# Altium PCB Room02.PcbDoc (part 1 of 2) (continued)
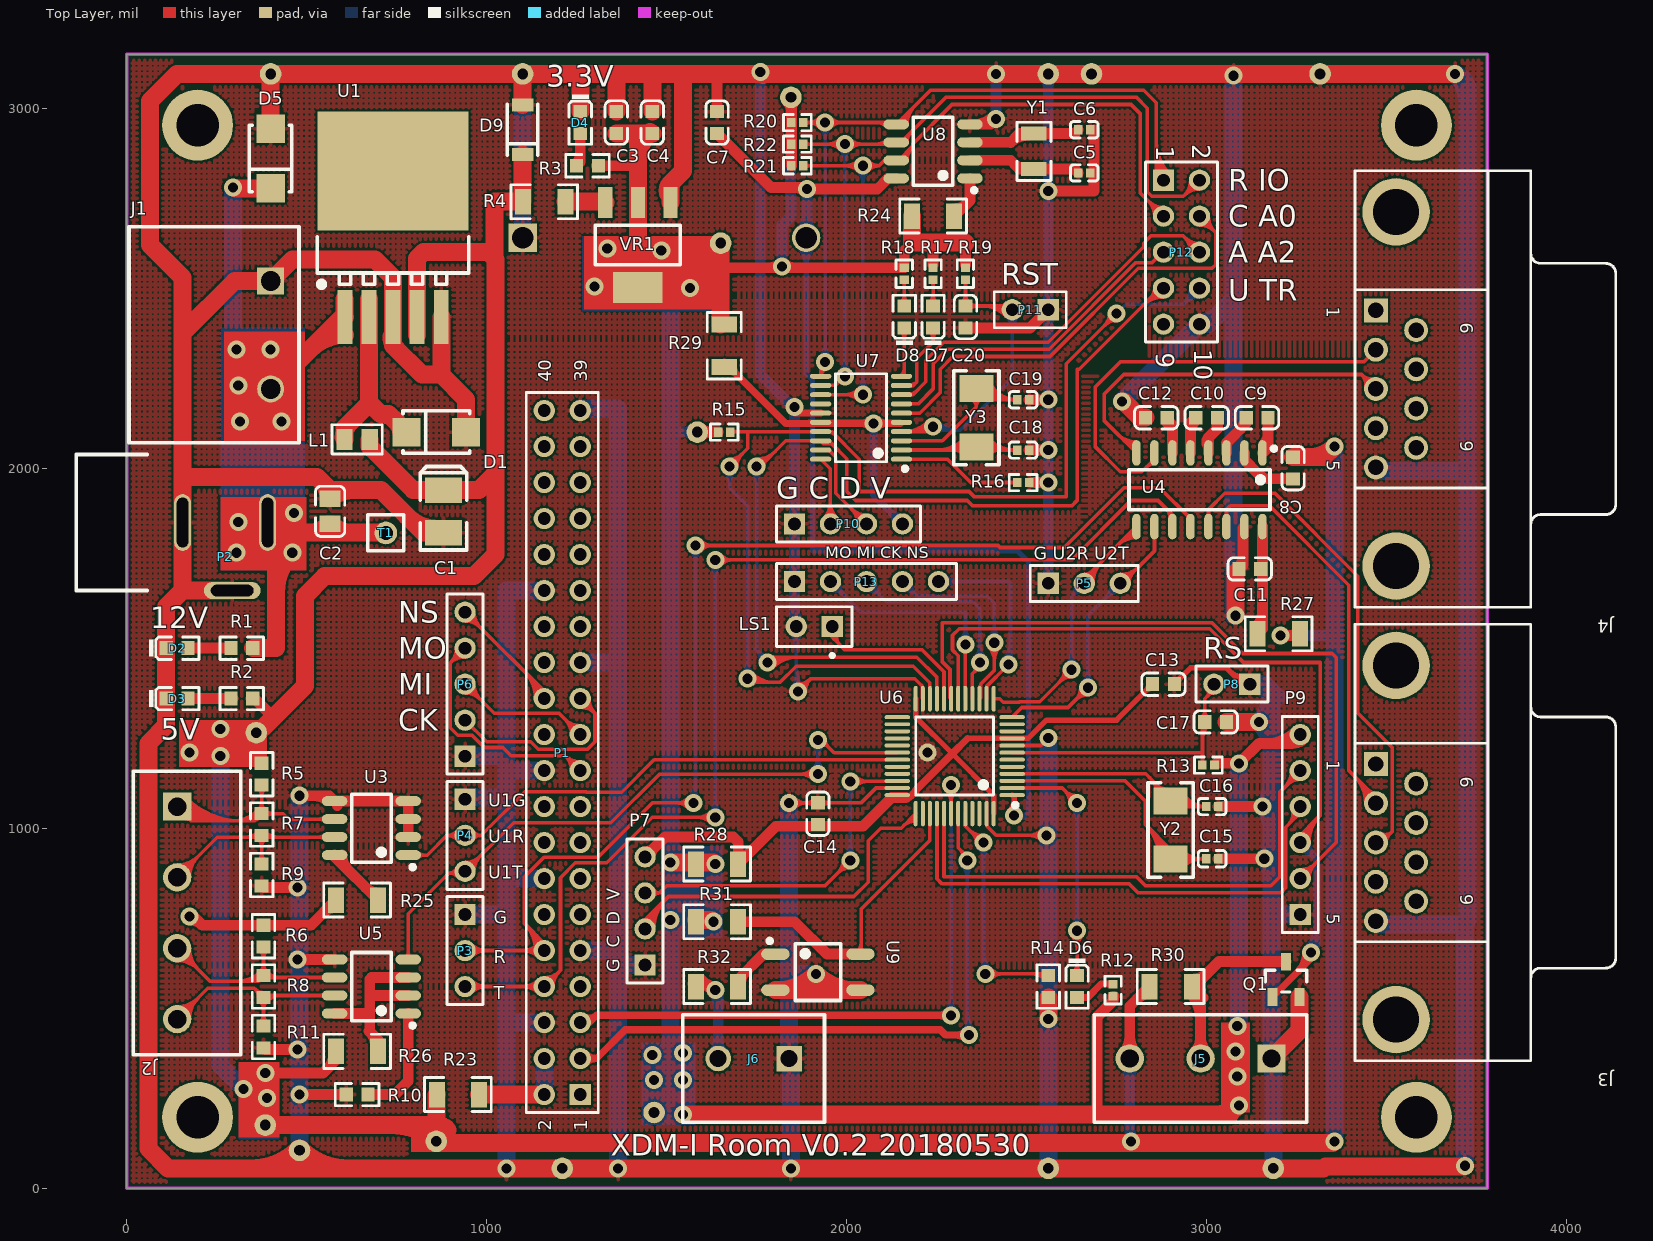
[diagram p0: Top Layer view]
## Part data
C1: library part "3528 100uF (107) 10% 6.3V", "钽电容"
C2: library part "0805 22uF (226) 20% 25V", "贴片电容"
C3 C7 C14 C17 C20: library part "0603 10uF (106) 10% 10V", "贴片电容"
C4 C13: library part "0603 100nF (104) 10% 50V", "贴片电容"
C5 C6: library part "0402 12pF (120) 5% 50V", "贴片电容"
C8 C9 C10 C11 C12: library part "0603 1uF (105) 10% 50V", "贴片电容"
C15 C16 C18 C19: library part "0402 20pF (200) 5% 50V", "贴片电容"
D1 D5: library part "SMA(DO-214AC) SS54", "二极管"
D2: library part "0603 绿灯", "发光二极管"
D3 D6 D7: library part "0603 蓝灯", "发光二极管"
D4: library part "0603 白灯", "发光二极管"
D8: library part "0603 红灯", "发光二极管"
D9: library part "LL-34 ZMM5V6", "稳压二极管"
J3 J4: "Receptacle Assembly, 9 Position, Right Angle"
L1: library part "0805 100uH 10%", "贴片电感"
LS1: "Electrical Bell"
P1: "Header, 20-Pin, Dual row"
P2 P3 P4 P5: "Header, 3-Pin"
P6 P13: "Header, 5-Pin"
P7 P10: "Header, 4-Pin"
P8 P11: "Header, 2-Pin"
P9: "Header, 6-Pin"
P12: "Header, 5-Pin, Dual row"
Q1: "MOS(场效应管)"
R1: library part "0603 20KΩ (2002) 1%", "贴片电阻"
R2 R3 R5 R6 R9 R10 R11: library part "0603 10KΩ (1002) 1%", "贴片电阻"
R4 R23 R24 R25 R26 R27 R28 R29: library part "1206 0Ω (0R0) 1%", "贴片电阻"
R7 R8: library part "0603 120Ω (1200) 1%", "贴片电阻"
R12 R13 R17 R18 R19 R20 R21 R22: library part "0402 10KΩ (1002) 1%", "贴片电阻"
R14: library part "0603 100KΩ (1003) 1%", "贴片电阻"
R15 R16: library part "0402 100KΩ (1003) 1%", "贴片电阻"
R30 R31: library part "1206 10KΩ (1002) 1%", "贴片电阻"
R32: library part "1206 1KΩ (1001) 1%", "贴片电阻"
U1: library part LM2576SX-5.0_[C34465], "DC-DCоƬ"
U2: library part BAT2032
U3 U5: library part SN75176BDR_[C7063], "RS-485/RS-422"
U4: library part MAX232ESE_[C26860], "RS232"
U6 U7: "ARM"
U8: library part DS1302Z+T&R_[C8959], "实时时钟"
U9: library part EL357N(B)(TA)-G_[C6649], "贴片光耦"
VR1: library part "SOT-223 AMS1117-3.3", "低压差线性稳压(LDO)"
Y1: library part "SMD-3215_2P 32.768KHz 20ppm 12.5pF", "贴片晶振"
Y2 Y3: library part "SMD-5032_2P 8MHz 20ppm 20pF", "贴片晶振"

## Free pads (board coordinates)
  round 196.85 hole 118.11: 0(196.85,196.85) 1(196.85,2952.76) 2(3582.68,2952.76) 3(3582.68,196.85)
  round 60 hole 30: 0(1465,210) 0(1585,2100) 0(1650,2625) 0(2560,3095) 1(400,3095) 1(1210,55) 1(1845,3030) 1(2560,55) 2(1100,3095) 2(3185,55) 3(860,130) 3(2680,3095) 4(360,1265) 4(3315,3095) 6(385,175) 8(480,105)

## Via types
v1: diameter 50, hole 28, Top Layer to Bottom Layer, 110 vias

## Nets (pads, with @x,y where several pads share a name; then routed paths per layer and width w, separated by ;. In a path a pad name is that pad's centre, name@x,y a point inside that pad or via, vN(x,y) a via of type N, cw(c..) or ccw(c..) an arc to the next point about the centre after c; other vN are vias at no path point)
ADC2_IN0: U6.10
ADC2_IN1: U6.11
BEEP: LS1.1 U6.20 | length 563.7
  Top Layer w10: LS1.1@1960,1560 1960,1530 1995,1495 2210,1495 2270.47,1434.53 U6.20@2270.47,1359.45 ; LS1.1@1963.44,1557.06 ccw(c1981.25,1541.86) 1964.7,1525.3 ; LS1.1@1971.05,1550.57 ccw(c1989.51,1534.81) 1972.35,1517.65 ; LS1.1@1978.66,1544.08 ccw(c1997.76,1527.77) 1980,1510
BOOT0: R14.1 U6.44 | length 1118.7
  Top Layer w10: U6.44@2329.53,1040.55 2329.53,1005.47 2360,975 2370,960 v1(2380,960) v1@2385,965 ; U6.44@2330.04,1010.63 ccw(c2343.73,1010.63) 2334.05,1000.95 ; 2337.32,997.68 ccw(c2380,1040.36) v1@2380,980 ; 2349.39,985.61 cw(c2323.79,960) v1@2360,960 ; 2354.39,980.61 ccw(c2380,1006.21) v1@2380,970 ; v1@2370,595 R14.1@2555.31,595 ; v1@2399.14,580.86 cw(c2433.28,546.72) 2433.28,595 cw(c2433.28,643.28) v1@2399.14,609.14 ; 2515.58,595 cw(c2515.58,546.87) R14.1@2549.61,580.9 ; 2538.2,595 ccw(c2538.2,611.13) R14.1@2549.61,599.72 ; 2539.72,595 cw(c2539.72,571.02) R14.1@2556.68,587.98
  Bottom Layer w10: v1@2365.86,945.86 cw(c2331.72,911.72) 2380,911.72 cw(c2428.28,911.72) v1@2394.14,945.86 ; v1@2370,595 v1@2371,596 ; v1@2370.86,609.14 ccw(c2348.79,631.21) 2380,631.21 ccw(c2421.21,631.21) v1@2392.07,602.07 ; v1@2371,959 2370,960 v1(2380,960) v1@2380,597 ; 2380,655.36 ccw(c2445.36,655.36) v1@2399.14,609.14
  other v1: 2385,595
C1+: C9.2 U4.1 | length 138.2
  Top Layer w30: U4.1@3155,2042.36 3170,2057.36 3170,2139.69 C9.2@3170.31,2140 ; U4.1@3157.25,2063.73 ccw(c3126.49,2094.5) 3170,2094.5
C1-: C9.1 U4.3 | length 153.7
  Top Layer w30: U4.3@3055,2042.36 3055,2070 3109.68,2124.68 C9.1@3109.68,2140 ; 3093.9,2108.9 ccw(c3063.79,2139.02) C9.1@3106.38,2139.02
C2+: C10.1 U4.4 | length 202
  Top Layer w30: U4.4@3001.81,2065.98 cw(c3040.02,2065.98) 3013,2093 ; U4.4@3002.23,2064.41 cw(c3017.11,2072.89) 3005,2085 ; U4.4@3005,2042.36 3005,2085 ; 3019.35,2099.35 ccw(c2994.15,2124.55) C10.1@3027.24,2137.79 ; C10.1@3030.31,2140 3030.31,2110.31 3005,2085
C2-: C10.2 U4.5 | length 149.4
  Top Layer w30: U4.5@2955,2042.36 2955,2125.32 C10.2@2969.68,2140 ; 2955,2095.58 cw(c3013.12,2095.58) C10.2@2972.02,2136.68
CON1_N: J2.2 R7.1 R9.2 U3.7 | length 1364.1
  Top Layer w10: J2.2@140,863.15 251.85,975 R7.1@375,975 ; J2.2@140,887.52 ccw(c140,946.35) 181.6,904.75 ccw(c223.2,863.15) J2.2@164.37,863.15 ; J2.2@140,897.52 ccw(c140,980.5) 198.67,921.82 ccw(c257.35,863.15) J2.2@174.37,863.15 ; 330.58,975 ccw(c330.58,1023.13) R7.1@364.61,989.1 ; 353.2,975 cw(c353.2,958.87) R7.1@364.61,970.28 ; 354.72,975 ccw(c354.72,998.98) R7.1@371.68,982.02 ; R9.2@365.59,909.73 ccw(c342.87,932.44) 375,932.44 ccw(c407.13,932.44) R9.2@384.41,909.73 ; R7.1@365.59,970.28 cw(c342.87,947.56) 375,947.56 cw(c407.13,947.56) R7.1@384.41,970.28 ; R9.2@375,900.32 R7.1@375,975 ; R7.1@375,979.69 R7.1@375,975 ; R7.1@375,975 U3.7@577.64,975 R7.1@375,975 ; 534.79,975 cw(c534.79,953.8) 549.78,968.79 ccw(c534.79,953.8) 534.79,975 ; 534.79,975 ccw(c534.79,996.2) 549.78,981.21 cw(c534.79,996.2) 534.79,975 ; R7.1@378.32,982.02 ccw(c395.28,998.98) 395.28,975 cw(c395.28,998.98) R7.1@378.32,982.02 ; R7.1@385.39,970.28 cw(c396.8,958.87) 396.8,975 ccw(c396.8,958.87) R7.1@385.39,970.28 ; R7.1@385.39,989.1 ccw(c419.42,1023.13) 419.42,975 cw(c419.42,1023.13) R7.1@385.39,989.1
CON1_P: J2.1 R5.1 R7.2 U3.6 | length 1704.3
  Top Layer w10: J2.1@128.95,1048.95 ccw(c198.83,1118.83) 198.83,1020 ; J2.1@136.02,1056.02 ccw(c222.98,1142.98) 222.98,1020 ; J2.1@140,1060 180,1020 354.68,1020 R7.2@375,1040.32 ; J2.1@143.09,1063.09 ccw(c247.12,1167.12) 247.12,1020 ; J2.1@150.16,1070.16 ccw(c271.26,1191.26) 271.26,1020 ; J2.1@157.23,1077.23 ccw(c295.4,1215.4) 295.4,1020 ; J2.1@164.3,1084.3 ccw(c319.55,1239.55) 319.55,1020 ; 292.84,1020 ccw(c292.84,1121.49) R7.2@364.61,1049.73 ; 316.98,1020 ccw(c316.98,1097.35) R7.2@371.68,1042.65 ; 341.13,1020 ccw(c341.13,1073.21) R7.2@378.75,1035.58 ; R7.2@360.88,1038.18 cw(c340.77,1034.9) 355.18,1020.49 cw(c371.18,1004.49) R7.2@372.97,1027.05 ; R7.2@365.59,1049.73 ccw(c342.87,1072.44) 375,1072.44 ccw(c407.13,1072.44) R7.2@384.41,1049.73 ; R5.1@365.59,1110.28 cw(c342.87,1087.56) 375,1087.56 cw(c407.13,1087.56) R5.1@384.41,1110.28 ; R5.1@375,1119.69 R7.2@375,1040.32 ; R7.2@385.39,1030.91 cw(c408.11,1008.19) 408.11,1040.32 cw(c408.11,1072.44) R7.2@385.39,1049.73 ; U3.6@549.78,1018.79 ccw(c534.79,1003.8) 534.79,1025 ccw(c534.79,1046.2) U3.6@549.78,1031.21 ; U3.6@577.64,1025 450,1025 434.68,1040.32 R7.2@375,1040.32
CON2_N: J2.4 R8.1 R11.2 U5.7 | length 1043.6
  Top Layer w10: J2.4@140,469.45 225.55,555 295,555 354.69,555 R8.1@380,529.69 ; J2.4@140,493.82 ccw(c140,552.65) 181.6,511.05 ccw(c223.2,469.45) J2.4@164.37,469.45 ; J2.4@140,503.82 ccw(c140,586.79) 198.67,528.12 ccw(c257.35,469.45) J2.4@174.37,469.45 ; 355.6,554.08 cw(c331.21,529.69) R8.1@365.71,529.69 ; 357.98,551.71 ccw(c379.02,572.74) R8.1@379.02,542.99 ; R11.2@370.59,459.73 ccw(c347.87,482.44) 380,482.44 ccw(c412.13,482.44) R11.2@389.41,459.73 ; R8.1@370.59,520.28 cw(c347.87,497.56) 380,497.56 cw(c412.13,497.56) R8.1@389.41,520.28 ; R11.2@380,450.32 R8.1@380,529.69 ; R8.1@383.32,527.35 cw(c401.8,508.87) 401.8,535 ; R8.1@390.39,520.28 cw(c425.94,484.73) 425.94,535 ; R8.1@390.39,539.1 ccw(c400.28,548.98) 400.28,535 ; U5.7@549.78,528.79 ccw(c534.79,513.8) 534.79,535 ccw(c534.79,556.2) U5.7@549.78,541.21 ; U5.7@577.64,535 385.31,535 R8.1@380,529.69
CON2_P: J2.3 R6.1 R8.2 U5.6 | length 1124.2
  Top Layer w10: J2.3@140,631.93 cw(c140,548.95) 198.67,607.63 cw(c257.35,666.3) J2.3@174.37,666.3 ; J2.3@140,641.93 cw(c140,583.1) 181.6,624.7 cw(c223.2,666.3) J2.3@164.37,666.3 ; J2.3@140,666.3 231.3,575 295,575 R8.2@364.68,575 ; 309.91,575 ccw(c309.91,659.42) R8.2@369.61,599.73 ; 334.06,575 ccw(c334.06,635.28) R8.2@376.68,592.65 ; 358.2,575 ccw(c358.2,611.13) R8.2@383.75,585.58 ; R8.2@370.59,599.73 ccw(c347.87,622.44) 380,622.44 ccw(c412.13,622.44) R8.2@389.41,599.73 ; R6.1@370.59,660.28 cw(c347.87,637.56) 380,637.56 cw(c412.13,637.56) R6.1@389.41,660.28 ; R8.2@380,590.32 R6.1@380,669.69 ; R8.2@383.32,592.65 ccw(c401.8,611.13) 401.8,585 ; R8.2@385.32,585 U5.6@577.64,585 U5.6@597.64,585 ; R8.2@390.39,580.91 cw(c400.28,571.02) 400.28,585 ; R8.2@390.39,599.73 ccw(c425.94,635.28) 425.94,585 ; U5.6@549.78,578.79 ccw(c534.79,563.8) 534.79,585 ccw(c534.79,606.2) U5.6@549.78,591.21
DS1302_IO: P12.2 R22.2 U7.12 U8.6 | length 2894.6
  Top Layer w10: U7.12@1927.8,2229.57 1928.23,2230 1970,2230 v1(1995,2255) ; v1@2009.14,2885.86 cw(c2043.28,2851.72) 2043.28,2900 cw(c2043.28,2948.28) v1@2009.14,2914.14 ; 2082.72,2900 ccw(c2082.72,2938.27) U8.6@2109.78,2911.21 ; U8.6@2132.64,2900 v1(1995,2900) ; U8.6@2137.64,2905 2151,2905 2276,3030 2805,3030 2835,3000 2835,2767.63 2847.63,2755 2935,2755 P12.2@2980,2800 ; U8.6@2168.07,2905 cw(c2209.28,2905) 2180.14,2934.14 ; P12.2@2955.47,2800 cw(c2896.26,2800) 2938.13,2758.13 cw(c2980,2716.26) P12.2@2980,2775.47 ; P12.2@2965.47,2800 cw(c2930.4,2800) 2955.2,2775.2 cw(c2980,2750.4) P12.2@2980,2785.47 ; 1896.44,2900 cw(c1896.44,2916.44) 1884.82,2904.82 ccw(c1896.44,2916.44) 1896.44,2900 ; 1896.44,2900 ccw(c1896.44,2883.56) 1884.82,2895.18 cw(c1896.44,2883.56) 1896.44,2900 ; 1946.72,2900 cw(c1946.72,2851.72) 1980.86,2885.86 ccw(c1946.72,2851.72) 1946.72,2900 ; 1946.72,2900 ccw(c1946.72,2948.28) 1980.86,2914.14 cw(c1946.72,2948.28) 1946.72,2900 ; v1(1995,2900) R22.2@1880,2900 v1(1995,2900)
  Bottom Layer w10: v1@1980.86,2269.14 ccw(c1946.72,2303.28) 1995,2303.28 ccw(c2043.28,2303.28) v1@2009.14,2269.14 ; v1@1980.86,2885.86 cw(c1946.72,2851.72) 1995,2851.72 cw(c2043.28,2851.72) v1@2009.14,2885.86 ; v1(1995,2255) v1(1995,2900)
DS1302_RSTN: P12.1 R20.2 U7.11 U8.5 | length 2943.1
  Top Layer w10: U7.11@1927.8,2253.33 cw(c1950.85,2253.33) v1@1945.04,2275.65 ; U7.11@1927.8,2255.16 1927.8,2282.8 v1(1940,2295) ; 1927.8,2266.27 cw(c1947.48,2266.27) v1@1942.52,2285.32 ; v1@1954.14,2945.86 cw(c1988.28,2911.72) 1988.28,2960 cw(c1988.28,3008.28) v1@1954.14,2974.14 ; 2082.72,2960 cw(c2082.72,2921.73) U8.5@2109.78,2948.79 ; U8.5@2132.64,2960 v1(1940,2960) ; U8.5@2137.64,2955 2232.64,3050 2825,3050 2860,3015 2860,2820 P12.1@2880,2800 ; U8.5@2138.07,2955 cw(c2139.12,2955) U8.5@2138.38,2955.74 ; U8.5@2148.07,2955 cw(c2173.26,2955) 2155.45,2972.81 ; U8.5@2158.07,2955 cw(c2207.4,2955) 2172.52,2989.88 ; U8.5@2168.07,2955 cw(c2241.54,2955) 2189.59,3006.95 ; 2860,2835.07 ccw(c2915.07,2835.07) P12.1@2876.13,2796.13 ; 2860,2859.21 ccw(c2939.21,2859.21) P12.1@2883.2,2803.2 ; 2860,2883.36 ccw(c2963.36,2883.36) P12.1@2890.27,2810.27 ; 2860,2907.5 ccw(c2987.5,2907.5) P12.1@2897.34,2817.34 ; R20.2@1891.72,2960 cw(c1891.72,2911.72) 1925.86,2945.86 ccw(c1891.72,2911.72) R20.2@1891.72,2960 ; R20.2@1891.72,2960 ccw(c1891.72,3008.28) 1925.86,2974.14 cw(c1891.72,3008.28) R20.2@1891.72,2960 ; 1896.44,2960 cw(c1896.44,2976.44) 1884.82,2964.82 ccw(c1896.44,2976.44) 1896.44,2960 ; 1896.44,2960 ccw(c1896.44,2943.56) 1884.82,2955.18 cw(c1896.44,2943.56) 1896.44,2960 ; v1(1940,2960) R20.2@1880,2960 v1(1940,2960)
  Bottom Layer w10: v1@1925.86,2309.14 ccw(c1891.72,2343.28) 1940,2343.28 ccw(c1988.28,2343.28) v1@1954.14,2309.14 ; v1@1925.86,2945.86 cw(c1891.72,2911.72) 1940,2911.72 cw(c1988.28,2911.72) v1@1954.14,2945.86 ; v1(1940,2295) v1(1940,2960)
DS1302_SCK: P12.3 R21.2 U7.13 U8.7 | length 2723.1
  Top Layer w10: R21.2@1880,2840 v1(2045,2840) 2090,2840 ; R21.2@1884.82,2835.18 cw(c1896.44,2823.56) 1896.44,2840 cw(c1896.44,2856.44) R21.2@1884.82,2844.82 ; U7.13@1927.8,2203.98 v1(2045,2203.98) ; v1@2030.86,2189.83 ccw(c1996.72,2155.69) 1996.72,2203.98 ccw(c1996.72,2252.26) v1@2030.86,2218.12 ; v1@2030.86,2825.86 ccw(c1996.72,2791.72) 1996.72,2840 ccw(c1996.72,2888.28) v1@2030.86,2854.14 ; v1@2059.85,2826.6 cw(c2090,2799.38) 2090,2840 ; v1@2059.85,2853.4 ccw(c2090,2880.62) 2090,2840 ; 2100.21,2850.21 cw(c2114.8,2835.62) U8.7@2116.06,2856.22 ; U8.7@2158.07,2854.98 cw(c2189.95,2855.53) 2167.4,2878.07 ; U8.7@2168.07,2855.15 cw(c2222.71,2856.09) 2184.07,2894.73 ; P12.3@2855.47,2700 ccw(c2796.26,2700) 2838.13,2741.87 ccw(c2880,2783.74) P12.3@2880,2724.53 ; P12.3@2865.47,2700 ccw(c2830.4,2700) 2855.2,2724.8 ccw(c2880,2749.6) P12.3@2880,2714.53 ; P12.3@2880,2700 2815,2765 2815,2985 2790,3010 2292.64,3010 2184.07,2901.43 2184.07,2894.74 ; 2090,2840 2105,2855 U8.7@2137.64,2855 2144.33,2855 2184.07,2894.74
  Bottom Layer w10: v1@2030.86,2218.12 ccw(c1996.72,2252.26) 2045,2252.26 ccw(c2093.28,2252.26) v1@2059.14,2218.12 ; v1@2030.86,2825.86 cw(c1996.72,2791.72) 2045,2791.72 cw(c2093.28,2791.72) v1@2059.14,2825.86 ; v1@2038.98,2203.98 v1(2045,2203.98) v1(2045,2840)
DS1302_X1: C5.2 U8.2 Y1.1 | length 353
  Top Layer w30: U8.2@2342.36,2855 2455.79,2855 2480,2830.79 Y1.1@2520,2830.79 2632.48,2830.79 C5.2@2643.27,2820 ; 2467.91,2842.87 ccw(c2491.31,2866.26) Y1.1@2502.65,2835.19
DS1302_X2: C6.2 U8.3 Y1.2 | length 407.9
  Top Layer w30: U8.3@2342.36,2905 2455.79,2905 2480,2929.21 Y1.2@2520,2929.21 2632.48,2929.21 C6.2@2643.27,2940 ; 2454.85,2904.07 cw(c2504.25,2854.67) Y1.2@2504.25,2924.53 ; 2467.87,2917.09 cw(c2491.33,2893.63) Y1.2@2502.65,2924.81
GND: C1.2 C2.1 C3.1 C4.1 C5.1 C6.1 C7.1 C11.1 C12.1 C13.1 C14.2 C15.1 C16.1 C17.1 C18.1 C19.1 C20.1 D1.1 D2.K D3.K D4.K D5.1 D9.1 J1.1 J3.5 J4.5 J5.1 J6.1 LS1.2 P1.6 P1.9 P1.14 P1.20 P1.25 P1.30 P1.39 P2.2 P2.3 P3.1 P4.1 P5.1 P6.1 P7.1 P8.1 P9.1 P10.1 P11.1 P12.10 P13.1 pad.0@2560,3095 pad.1@400,3095 pad.1@1210,55 pad.1@2560,55 pad.2@1100,3095 pad.2@3185,55 pad.3@2680,3095 pad.4@3315,3095 pad.8 Q1.2 R9.1 R10.1 R11.1 R14.2 R16.1 U1.3 U1.5 U2.1 U3.2 U3.3 U3.4 U3.5 U4.15 U5.5 U6.8 U6.23 U6.35 U6.47 U7.15 U8.4 U9.2 U9.3 VR1.1 | length 40105.7
  Top Layer w10: v1(1840,1070) 2040,1070 2081.42,1111.42 U6.35@2140.55,1111.42 ; v1@1854.14,1055.86 cw(c1888.28,1021.72) 1888.28,1070 cw(c1888.28,1118.28) v1@1854.14,1084.14 ; v1(1865,1380) 1900,1415 2189.45,1415 2210.23,1394.22 2210.23,1360.63 U6.23@2211.42,1359.45 ; v1@1865,1400 ccw(c1865,1448.28) 1899.14,1414.14 ccw(c1933.28,1380) v1@1885,1380 ; 1886.13,1070 ccw(c1886.13,1103.21) C14.2@1909.61,1079.73 ; 1887.65,1070 cw(c1887.65,1038.95) C14.2@1909.61,1060.91 ; C14.2@1930.39,1060.91 cw(c1952.35,1038.95) 1952.35,1070 ; C14.2@1930.39,1079.73 ccw(c1953.87,1103.21) 1953.87,1070 ; 2207.95,1396.5 cw(c2200.82,1389.37) U6.23@2210.91,1389.37 ; U6.47@2388.58,1040.55 2388.58,1006.42 2415,980 v1(2555,980) ; U6.47@2389.09,1010.63 ccw(c2400.5,1010.63) 2392.43,1002.57 ; U6.8@2459.45,1229.53 2539.53,1229.53 v1(2560,1250) ; v1@2540.86,965.86 ccw(c2506.72,931.72) 2506.72,980 ccw(c2506.72,1028.28) v1@2540.86,994.14
  Top Layer w15: C13.1@2910.31,1400 2955.31,1445 3055,1445 3100,1400 P8.1@3120,1400 ; C13.1@2910.31,1411.79 ccw(c2910.31,1440.26) 2930.44,1420.13 ; C13.1@2921.12,1400.98 cw(c2944.84,1400.98) C13.1@2928.07,1417.75 ; 3065,1435 ccw(c3101.8,1471.79) P8.1@3114.59,1421.35 ; 3083.66,1416.34 ccw(c3109.35,1442.02) P8.1@3118.27,1406.81
  Top Layer w20: v1@1857.2,2152.8 U7.15@1927.8,2152.8
  Top Layer w30: R9.1@378.32,842.02 ccw(c395.28,858.98) 395.28,835 ; R9.1@379.69,835 v1(475,835) v1@480,835 ; R11.1@383.32,392.02 ccw(c400.28,408.98) 400.28,385 ; R11.1@384.69,385 v1(475,385) v1@480,385 ; v1(480,260) R10.1@604.69,260 ; v1@480,635 v1(475,635) U5.5@577.64,635 ; v1(480,1090) 562.64,1090 U3.5@577.64,1075 U3.4@782.36,1075 U3.3@782.36,1025 U3.2@782.36,975 ; 522.72,1090 cw(c522.72,1041.73) U3.5@556.85,1075.86 ; U3.5@583.75,1068.89 cw(c580.04,1065.19) U3.5@584.89,1063.21 ; C7.1@1640,2990.32 1640,3095 ; C20.1@2330,2389.69 2330.21,2389.47 2509.47,2389.47 P11.1@2560,2440 ; U8.4@2342.36,2955 2400,2955 v1(2415,2970) ; U8.4@2354.64,2955 ccw(c2354.64,3030.36) v1@2407.93,2977.07 ; C18.1@2506.73,2050 v1(2560,2050) ; C19.1@2506.73,2190 v1(2560,2190) ; R16.1@2515,1960 v1(2560,1960) ; P11.1@2545.47,2440 cw(c2510.4,2440) 2535.2,2415.2 cw(c2560,2390.4) P11.1@2560,2425.47 ; v1(2560,2770) 2686.73,2770 C6.1@2686.73,2940 ; C15.1@3031.73,915 v1(3160,915) ; C16.1@3031.73,1060 v1(3155,1060) ; C11.1@3087.35,1723.32 ccw(c3054.37,1756.3) 3101.01,1756.3 ; C11.1@3101.01,1731.32 U4.15@3101.01,1833.65
  Top Layer w50: 155.55,1660 P2.2@293.07,1660 ; 347.22,55 ccw(c347.22,237.78) pad.8@476.46,108.54 ; D5.1@400,2942.68 pad.1@400,3095 ; 448.18,73.18 ccw(c492.07,117.07) 492.07,55 ; 467.93,55 ccw(c467.93,117.07) 511.82,73.18 ; pad.8@480,105 480,55 ; pad.8@483.54,108.54 ccw(c612.78,237.78) 612.78,55 ; 541.3,1962.76 cw(c493.58,1915.04) C2.1@561.06,1915.04 ; C2.1@569.57,1916.57 cw(c623.85,1862.29) 623.85,1939.06 ; U1.3@735.67,2365.87 ccw(c787.66,2365.87) 750.9,2329.1 ; 777.82,1867.18 ccw(c864.25,1953.61) C1.2@864.25,1831.38 ; C1.2@865,1820.95 824.06,1820.95 705.95,1939.06 565,1939.06 529.06,1975 155,1975 ; U1.5@873.86,2420 873.86,2260 ; D1.1@942.68,2100 942.68,2191.18 873.86,2260 ; D9.1@1100,3008.9 pad.2@1100,3095 ; D4.K@1260,2990.31 1260,3090 ; C3.1@1360,2990.32 1360,3095 ; C4.1@1460,2990.32 1460,3095 ; VR1.1@1505.24,2761.73 cw(c1561.98,2761.73) 1521.86,2801.86 ; VR1.1@1505.86,2759.24 cw(c1529.38,2771.72) 1510.55,2790.55 ; VR1.1@1510.55,2738.11 1510.55,2790.55 ; v1@1767.5,3092.5 v1@1765,3095 ; U9.2@1801.89,550 1905,550 ; U9.2@1806.36,550 ccw(c1806.36,703.64) v1(1915,595) ; U9.3@2023.64,550 cw(c2023.64,703.64) v1(1915,595) ; U9.3@2038.11,550 1905,550 ; v1(2560,470) R14.2@2560,529.68 ; v1(2765,2185) 2770,2185 2815,2140 C12.1@2829.69,2140 ; C17.1@3055.31,1295 v1(3145,1295) ; v1(3080,1590) C11.1@3080,1710.31 ; J5.1@3180,360 3257.4,437.4 Q1.2@3257.4,530.79 ; 3325,55 pad.2@3185,55 pad.1@2560,55 v1(1845,55) v1(1365,55) pad.1@1210,55 v1(1055,55) 480,55 ; 3330,60 3715,60 v1(3717.15,62.15) ; v1(3690,3095) pad.4@3315,3095 pad.3@2680,3095 pad.0@2560,3095 v1(2415,3095) v1@1765,3095 ; 155,1975 155,1849.25 P2.3@155.28,1848.98 155.28,1660.28 109.69,1614.69 D2.K@109.69,1500 D3.K@109.69,1360 109.69,1285.31 60,1235.63 60,110 115,55 480,55 ; 155,1975 155,2375 ; 155,2375 155,2530 65,2620 65,3020 140,3095 pad.1@400,3095 ; 155,2375 300,2520 J1.1@400,2520 460,2580 690,2580 740,2530 U1.3@740,2420 740,2340 820,2260 873.86,2260 ; pad.1@400,3095 pad.2@1100,3095 ; pad.2@1100,3095 1360,3095 ; 1360,3095 1460,3095 ; 1460,3095 1545,3095 ; 1510.55,2790.55 1545,2825 1545,3095 ; 1545,3095 1640,3095 v1@1760,3095 ; v1@1760,3095 v1@1765,3095 ; v1@1760,3095 v1(1760,3100) v1@1765,3095 ; 1905,550 1915,560 v1(1915,595)
  Bottom Layer w10: LS1.2@1842.66,1542.66 cw(c1800.79,1500.79) 1860,1500.79 cw(c1919.21,1500.79) LS1.2@1877.34,1542.66 ; LS1.2@1849.73,1549.73 cw(c1824.93,1524.93) 1860,1524.93 cw(c1895.07,1524.93) LS1.2@1870.27,1549.73 ; v1@1850.86,1394.14 ccw(c1828.79,1416.21) 1860,1416.21 ccw(c1901.21,1416.21) v1@1872.07,1387.07 ; 1860,1440.36 ccw(c1925.36,1440.36) v1@1879.14,1394.14 ; LS1.2@1860,1560 1860,1385 v1(1865,1380)
  Bottom Layer w30: v1@1767.5,3092.5 1760,3085 1760,2260 v1@1855,2165 ; 1829.39,2190.61 ccw(c1855,2216.21) v1@1855,2180 ; P13.1@1844.73,1674.73 cw(c1819.93,1649.93) 1855,1649.93 cw(c1890.07,1649.93) P13.1@1865.27,1674.73 ; P13.1@1844.73,1695.27 ccw(c1819.93,1720.07) 1855,1720.07 ccw(c1890.07,1720.07) P13.1@1865.27,1695.27 ; P10.1@1844.73,1834.73 cw(c1819.93,1809.93) 1855,1809.93 cw(c1890.07,1809.93) P10.1@1865.27,1834.73 ; P10.1@1844.73,1855.27 ccw(c1819.93,1880.07) 1855,1880.07 ccw(c1890.07,1880.07) P10.1@1865.27,1855.27 ; LS1.2@1855,1565 P13.1@1855,1685 P10.1@1855,1845 v1@1855,2165 ; 1855,1607.14 ccw(c1907.14,1607.14) LS1.2@1870.27,1570.27 ; v1@1857.2,2152.8 v1@1855,2165 ; v1(2415,2970) v1(2415,3095) ; pad.0@2549.39,3084.39 cw(c2523.79,3058.79) 2560,3058.79 cw(c2596.21,3058.79) pad.0@2570.61,3084.39 ; P5.1@2549.73,1690.27 ccw(c2524.93,1715.07) 2560,1715.07 ccw(c2595.07,1715.07) P5.1@2570.27,1690.27 ; P11.1@2549.73,2429.73 cw(c2524.93,2404.93) 2560,2404.93 cw(c2595.07,2404.93) P11.1@2570.27,2429.73 ; P11.1@2549.73,2450.27 ccw(c2524.93,2475.07) 2560,2475.07 ccw(c2595.07,2475.07) P11.1@2570.27,2450.27 ; P5.1@2560,1680 v1(2560,2050) v1(2560,2190) P11.1@2560,2440 v1(2560,2770) pad.0@2560,3095 pad.0@2560,3100
  Bottom Layer w50: v1(475,385) v1@480,385 ; v1(475,635) v1@480,635 ; v1(475,835) v1@480,835 ; pad.8@480,105 v1(480,260) v1@480,385 ; v1(480,1090) v1@480,835 ; P3.1@940,760 1055,760 ; P4.1@940,1085 1055,1085 ; P6.1@940,1200 1050,1200 ; v1(1055,55) 1055,460 ; 1060,860 P1.14@1160,860 ; U2.1@1100,2640 pad.2@1100,3095 ; P1.6@1155,460 1055,460 ; P1.20@1160,1160 1055,1160 ; P1.30@1160,1660 1055,1660 1055,1160 ; P1.9@1260,660 1360,660 ; P1.25@1260,1460 1365,1460 ; P1.39@1260,2165 1365,2165 1365,1460 ; v1(1365,55) 1365,620 ; P7.1@1440,620 1365,620 ; J6.1@1832.62,352.62 cw(c1802.74,322.74) 1845,322.74 ; J6.1@1840,360 1840,595 ; v1(1840,1070) 1840,595 ; v1(1845,55) J6.1@1845,360 ; v1(1915,595) 1840,595 ; pad.1@2560,55 v1(2560,470) v1@2560,1230 ; v1@2770,2185 v1(2765,2185) P12.10@2980,2400 3005,2400 3075,2470 ; P12.10@2980,2404.53 ccw(c2980,2475.81) 3030.41,2425.41 ; v1@3075,1590 3075,2470 ; v1(3075,3090) 3075,2470 ; P8.1@3120,1395.47 cw(c3120,1287.97) 3196.01,1363.99 ; P8.1@3120,1400 3160,1400 3180,1380 ; P8.1@3121.19,1395.63 cw(c3137.12,1337.12) 3180,1380 ; J5.1@3169.84,349.84 cw(c3133.24,313.24) 3185,313.24 ; J5.1@3180,360 3180,760 ; 3180,866.72 ccw(c3111.72,866.72) v1(3160,915) ccw(c3111.72,963.28) 3180,963.28 ; 3180,999.64 ccw(c3094.64,999.64) v1(3155,1060) ccw(c3094.64,1120.36) 3180,1120.36 ; 3180,1210.5 ccw(c3060.5,1210.5) v1(3145,1295) ccw(c3060.5,1379.5) 3180,1379.5 ; pad.2@3185,55 J5.1@3185,355 ; P9.1@3260,760 3180,760 ; J3.5@3470.08,741.89 3479.82,732.15 3717.15,732.15 ; J4.5@3470.08,2001.89 3479.82,1992.15 3722.85,1992.15 ; J3.5@3475.92,747.74 ccw(c3513.55,785.36) 3513.55,732.15 ; J4.5@3475.92,2007.74 ccw(c3513.55,2045.36) 3513.55,1992.15 ; v1(3717.15,62.15) 3717.15,732.15 ; 3725,3010.5 ccw(c3605.5,3010.5) v1(3690,3095) ; 3725,3045.5 ccw(c3672.5,3045.5) v1(3690,3095) ; v1@480,385 v1@480,635 ; v1@480,635 v1@480,835 ; 1055,460 1055,760 ; 1055,760 1055,1085 ; 1055,1085 1055,1160 ; 1365,620 1365,1460 ; 3180,760 3180,1380 ; v1(3690,3095) 3725,3060 3725,740 3717.15,732.15
  other v1: 2225,1210 1855,2170
GR2S4: P1.22
I2C_SCL: P1.5 U6.42 | length 2090.1
  Top Layer w10: v1@2276.02,1105.86 cw(c2241.87,1071.72) 2290.16,1071.72 cw(c2338.44,1071.72) v1@2304.3,1105.86 ; U6.42@2290.16,1040.55 v1(2290.16,1120)
  Top Layer w20: P1.5@1266,466 P1.5@1260,460 1285,460 1305,480 ; P1.5@1270.63,476.38 ccw(c1285.58,499.42) 1305,480 ; v1@2279.39,469.39 ccw(c2253.79,443.79) 2253.79,480 ccw(c2253.79,516.21) v1@2279.39,490.61 ; v1(2290,480) 1305,480
  Bottom Layer w10: v1@2275.86,494.14 ccw(c2241.72,528.28) 2290,528.28 ccw(c2338.28,528.28) v1@2304.14,494.14 ; v1@2276.02,1105.86 cw(c2242.26,1072.1) 2290,1072.1 ; v1@2285,1120 2285,1110 2290,1105 v1(2290,480) ; 2290,1071.33 cw(c2338.82,1071.33) v1@2304.3,1105.86
I2C_SDA: P1.3 U6.43 | length 2117.2
  Top Layer w10: U6.43@2309.84,1040.55 2309.84,945.16 2325,930 2325,910 v1(2335,910) ; 2317.83,937.17 cw(c2298.51,917.85) v1@2325.22,912.1 ; 2317.93,937.07 ccw(c2335,954.14) v1@2335,930
  Top Layer w20: P1.3@1260,360 1305,360 ; P1.3@1274.26,346.66 cw(c1305,317.92) 1305,360 ; P1.3@1274.26,373.34 ccw(c1305,402.08) 1305,360 ; v1@2329.39,414.39 ccw(c2303.79,388.79) 2303.79,425 ccw(c2303.79,461.21) v1@2329.39,435.61 ; v1(2340,425) 2275,425 2260,440 1385,440 1305,360
  Bottom Layer w10: v1@2320.86,895.86 cw(c2286.72,861.72) 2335,861.72 cw(c2383.28,861.72) v1@2349.14,895.86 ; v1@2325.86,439.14 ccw(c2303.79,461.21) 2335,461.21 ccw(c2376.21,461.21) v1@2347.07,432.07 ; v1@2335,430 2335,898 2324,909 2325,910 v1(2335,910) ; 2335,485.36 ccw(c2400.36,485.36) v1@2354.14,439.14
IO1: J5.2 Q1.3 R30.1 | length 758
  Top Layer w30: R30.1@2953.54,541.69 cw(c2882.05,470.2) 2983.15,470.2 ; R30.1@2958.66,560 2983.15,535.51 J5.2@2983.15,360 ; R30.1@2958.66,580.43 ccw(c2958.66,645.06) 3004.36,599.36 ; R30.1@2959.44,539.61 cw(c2963.42,502.6) 2989.74,528.92 ; J5.2@2965.92,377.23 ccw(c2924.32,418.83) 2983.15,418.83 ccw(c3041.98,418.83) J5.2@3000.38,377.23 ; R30.1@2974.75,562.9 cw(c2954.48,542.63) 2983.15,542.63 ; R30.1@2975,570 3034.21,629.21 Q1.3@3220,629.21
IO1_103: P9.3 Q1.1 U6.18 | length 2723.1
  Top Layer w10: U6.18@2309.84,1359.45 2309.84,1479.25 2294,1495.09 2294,1535.46 2312.7,1554.16 3008.21,1554.16 3102.37,1460 3315,1460 3315,1035 ; P9.3@3250,970 3315,1035 ; P9.3@3260,960 P9.3@3275,960 ; P9.3@3264.53,960.05 cw(c3322.08,960.68) 3281.38,1001.38 ; P9.3@3274.53,960.16 cw(c3355.33,961.05) 3298.19,1018.19 ; P9.3@3284.53,960.27 cw(c3388.58,961.42) 3315,1035
  Top Layer w20: Q1.1@3182.6,530.79 v1@3290.91,639.1 ; Q1.1@3182.6,545.39 ccw(c3182.6,580.66) 3207.53,555.72 ; 3252.51,600.7 ccw(c3198.2,655) v1@3275,655
  Bottom Layer w20: P9.3@3260,940.47 cw(c3260,893.33) 3293.34,926.66 cw(c3326.67,960) P9.3@3279.53,960 ; P9.3@3260,960 3305.53,914.47 3305.53,680.53 3290,665 v1(3290,655) ; v1@3279.39,665.61 ccw(c3216.3,728.7) 3305.53,728.7 ; v1@3293.54,651.46 ccw(c3264.58,680.42) 3305.53,680.42
IO2_103: P9.2 U6.19 | length 2180
  Top Layer w10: 2286.98,1398.27 ccw(c2299.06,1398.27) U6.19@2290.52,1389.73 ; U6.19@2290.16,1359.45 2286.98,1362.62 2286.98,1440.64 2265,1462.63 2265,1570.16 3014.84,1570.16 3100,1485 3349,1485 3360,1474 3360,960 P9.2@3260,860 P9.2@3258.94,860 ; P9.2@3260,874.53 ccw(c3260,909.6) 3284.8,884.8 ccw(c3309.6,860) P9.2@3274.53,860 ; P9.2@3260,884.53 ccw(c3260,943.74) 3301.87,901.87 ccw(c3343.74,860) P9.2@3284.53,860
  Bottom Layer w20: P9.2@3260,850 P9.2@3260,860
IO3_103: R31.1 U6.39 U9.4 | length 886
  Top Layer w10: U9.4@2030.51,657.6 ccw(c2007.6,680.51) 2040,680.51 ; U9.4@2040,651.89 2040,775 2230,965 2231.1,965 U6.39@2231.1,1040.55 ; 2040,671.39 ccw(c2059.5,671.39) U9.4@2045.71,657.6
  Top Layer w30: R31.1@1698.66,740 1855,740 1945,650 U9.4@2038.11,650
IO4_103: P9.4 U6.40 | length 1508.6
  Top Layer w10: U6.40@2250.79,1040.55 2250.79,859.21 2265,845 2785,845 2810,820 3205,820 3219.47,834.47 3219.47,1002.63 3260,1043.15 P9.4@3260,1060 ; 3227.9,1011.05 ccw(c3200.49,1038.46) P9.4@3236.94,1051.65 ; 3239.02,1022.17 ccw(c3216.82,1044.37) P9.4@3246.34,1055.06 ; 3246.89,1030.04 cw(c3260,1016.93) P9.4@3260,1035.47
IO5_103: P9.5 U6.41 | length 1595.5
  Top Layer w10: U6.41@2270.47,1040.55 2270.47,865.47 2270.94,865 2805,865 2830,840 3178.47,840 3203.47,865 3203.47,1100.53 3260,1157.06 P9.5@3260,1160 ; 3216.05,1113.1 ccw(c3169.15,1160) P9.5@3235.47,1160 ; 3223.16,1120.21 cw(c3260,1083.37) P9.5@3260,1135.47 ; 3233.12,1130.17 ccw(c3203.29,1160) P9.5@3245.47,1160 ; 3240.23,1137.28 cw(c3260,1117.51) P9.5@3260,1145.47
J3R: J3.3 U4.13 | length 1497.7
  Top Layer w10: U4.13@3000.18,1866.08 ccw(c2988.56,1877.7) 3005,1877.7 ccw(c3021.44,1877.7) U4.13@3009.82,1866.08 ; U4.13@3005,1837.64 3005,1885 3050,1930 3190,1930 3420,1700 3420,1320 3515,1225 3515,990 ; J3.3@3470.08,960 3485,960 3515,990 ; J3.3@3478.5,976.21 ccw(c3489.1,996.6) 3505.35,980.35 ; J3.3@3483.12,985.08 ccw(c3495.7,1009.3) 3515,990 ; J3.3@3498.35,960 cw(c3530.57,960) 3507.78,982.78